# KiCad board poly_kb_molecule_16x5.kicad_pcb (continued)
## Routing (per net, layer and track width the routed paths; a pad name or vN(x,y) marks a point on that pad's centre or on a via; arc(x,y) is an arc through that point) (continued)
Net-(C4-Pad1): length 338.2
  Bottom w0.254: 241.69,87.76 241.69,88.31 242.19,88.8 242.19,90.24 241.38,91.05 J1#61.15 ; 203.59,49.66 203.59,50.21 204.09,50.7 204.09,52.14 203.28,52.95 J1#64.15 ; J1#55.15 50.88,14.85 51.69,14.04 51.69,12.6 51.19,12.11 51.19,11.56 ; 222.64,49.66 222.64,50.21 223.14,50.7 223.14,52.14 222.32,52.95 J1#40.15 ; J1#72.15 222.32,72 223.14,71.19 223.14,69.75 222.64,69.26 222.64,68.71 ; J1#10.15 203.28,14.85 204.09,14.04 204.09,12.6 203.59,12.11 203.59,11.56 ; 279.79,11.56 279.79,12.11 280.29,12.6 280.29,14.04 279.48,14.85 J1#24.15 ; J1#69.15 50.88,33.9 51.69,33.09 51.69,31.65 51.19,31.16 51.19,30.61 ; 146.44,68.71 146.44,69.26 146.94,69.75 146.94,71.19 146.12,72 J1#28.15 ; 108.34,68.71 108.34,69.26 108.84,69.75 108.84,71.19 108.03,72 J1#33.15 ; 298.84,30.61 298.84,31.16 299.34,31.65 299.34,33.09 298.52,33.9 J1#49.15 ; J1#19.15 184.22,33.9 185.04,33.09 185.04,31.65 184.54,31.16 184.54,30.61 ; J1#32.15 260.43,33.9 261.24,33.09 261.24,31.65 260.74,31.16 260.74,30.61 ; 89.29,68.71 89.29,69.26 89.79,69.75 89.79,71.19 88.97,72 J1#71.15 ; J1#30.15 165.18,72 165.99,71.19 165.99,69.75 165.49,69.26 165.49,68.71 ; 203.59,68.71 203.59,69.26 204.09,69.75 204.09,71.19 203.28,72 J1#14.15 ; J1#66.15 260.43,52.95 261.24,52.14 261.24,50.7 260.74,50.21 260.74,49.66 ; 298.84,68.71 298.84,69.26 299.34,69.75 299.34,71.19 298.52,72 J1#52.15 ; J1#35.15 69.92,91.05 70.74,90.24 70.74,88.8 70.24,88.31 70.24,87.76 ; J1#29.15 279.48,91.05 280.29,90.24 280.29,88.8 279.79,88.31 279.79,87.76 ; J1#27.15 165.18,52.95 165.99,52.14 165.99,50.7 165.49,50.21 165.49,49.66 ; J1.15 12.77,91.05 13.59,90.24 13.59,88.8 13.09,88.31 13.09,87.76 ; J1#63.15 146.12,91.05 146.94,90.24 146.94,88.8 146.44,88.31 146.44,87.76 ; J1#60.15 241.38,33.9 242.19,33.09 242.19,31.65 241.69,31.16 241.69,30.61 ; J1#20.15 31.83,14.85 32.64,14.04 32.64,12.6 32.14,12.11 32.14,11.56 ; 89.29,87.76 89.29,88.31 89.79,88.8 89.79,90.24 88.97,91.05 J1#22.15 ; 127.39,30.61 127.39,31.16 127.89,31.65 127.89,33.09 127.07,33.9 J1#6.15 ; J1#5.15 50.88,72 51.69,71.19 51.69,69.75 51.19,69.26 51.19,68.71 ; J1#70.15 69.92,52.95 70.74,52.14 70.74,50.7 70.24,50.21 70.24,49.66 ; 260.74,11.56 260.74,12.11 261.24,12.6 261.24,14.04 260.43,14.85 J1#46.15 ; J1#76.15 108.03,91.05 108.84,90.24 108.84,88.8 108.34,88.31 108.34,87.76 ; 32.14,30.61 32.14,31.16 32.64,31.65 32.64,33.09 31.83,33.9 J1#3.15 ; 127.39,11.56 127.39,12.11 127.89,12.6 127.89,14.04 127.07,14.85 J1#11.15 ; 146.44,30.61 146.44,31.16 146.94,31.65 146.94,33.09 146.12,33.9 J1#56.15 ; 89.29,11.56 89.29,12.11 89.79,12.6 89.79,14.04 88.97,14.85 J1#51.15 ; J1#74.15 88.97,33.9 89.79,33.09 89.79,31.65 89.29,31.16 89.29,30.61 ; J1#8.15 108.03,52.95 108.84,52.14 108.84,50.7 108.34,50.21 108.34,49.66 ; J1#25.15 165.18,91.05 165.99,90.24 165.99,88.8 165.49,88.31 165.49,87.76 ; J1#13.15 50.88,91.05 51.69,90.24 51.69,88.8 51.19,88.31 51.19,87.76 ; J1#7.15 12.77,33.9 13.59,33.09 13.59,31.65 13.09,31.16 13.09,30.61 ; J1#77.15 12.77,72 13.59,71.19 13.59,69.75 13.09,69.26 13.09,68.71 ; 260.74,87.76 260.74,88.31 261.24,88.8 261.24,90.24 260.43,91.05 J1#54.15 ; J1#38.15 88.97,52.95 89.79,52.14 89.79,50.7 89.29,50.21 89.29,49.66 ; 108.34,11.56 108.34,12.11 108.84,12.6 108.84,14.04 108.03,14.85 J1#59.15 ; 298.84,49.66 298.84,50.21 299.34,50.7 299.34,52.14 298.52,52.95 J1#45.15 ; J1#68.15 165.18,14.85 165.99,14.04 165.99,12.6 165.49,12.11 165.49,11.56 ; 70.24,11.56 70.24,12.11 70.74,12.6 70.74,14.04 69.92,14.85 J1#57.15 ; 127.39,49.66 127.39,50.21 127.89,50.7 127.89,52.14 127.07,52.95 J1#36.15 ; J1#80.15 108.03,33.9 108.84,33.09 108.84,31.65 108.34,31.16 108.34,30.61 ; 13.09,11.56 13.09,12.11 13.59,12.6 13.59,14.04 12.77,14.85 J1#41.15 ; J1#65.15 69.92,72 70.74,71.19 70.74,69.75 70.24,69.26 70.24,68.71 ; J1#48.15 241.38,52.95 242.19,52.14 242.19,50.7 241.69,50.21 241.69,49.66 ; J1#26.15 203.28,33.9 204.09,33.09 204.09,31.65 203.59,31.16 203.59,30.61 ; 222.64,11.56 222.64,12.11 223.14,12.6 223.14,14.04 222.32,14.85 J1#21.15 ; J1#31.15 203.28,91.05 204.09,90.24 204.09,88.8 203.59,88.31 203.59,87.76 ; 127.39,68.71 127.39,69.26 127.89,69.75 127.89,71.19 127.07,72 J1#37.15 ; J1#79.15 298.52,91.05 299.34,90.24 299.34,88.8 298.84,88.31 298.84,87.76 ; 146.44,11.56 146.44,12.11 146.94,12.6 146.94,14.04 146.12,14.85 J1#23.15 ; 165.49,30.61 165.49,31.16 165.99,31.65 165.99,33.09 165.18,33.9 J1#16.15 ; J1#67.15 184.22,52.95 185.04,52.14 185.04,50.7 184.54,50.21 184.54,49.66 ; 32.14,68.71 32.14,69.26 32.64,69.75 32.64,71.19 31.83,72 J1#58.15 ; J1#2.15 279.48,33.9 280.29,33.09 280.29,31.65 279.79,31.16 279.79,30.61 ; J1#43.15 31.83,52.95 32.64,52.14 32.64,50.7 32.14,50.21 32.14,49.66 ; J1#34.15 279.48,72 280.29,71.19 280.29,69.75 279.79,69.26 279.79,68.71 ; 241.69,68.71 241.69,69.26 242.19,69.75 242.19,71.19 241.38,72 J1#39.15 ; 32.14,87.76 32.14,88.31 32.64,88.8 32.64,90.24 31.83,91.05 J1#47.15 ; J1#78.15 279.48,52.95 280.29,52.14 280.29,50.7 279.79,50.21 279.79,49.66 ; J1#53.15 127.07,91.05 127.89,90.24 127.89,88.8 127.39,88.31 127.39,87.76 ; J1#75.15 222.32,91.05 223.14,90.24 223.14,88.8 222.64,88.31 222.64,87.76 ; 298.84,11.56 298.84,12.11 299.34,12.6 299.34,14.04 298.52,14.85 J1#44.15 ; J1#18.15 184.22,91.05 185.04,90.24 185.04,88.8 184.54,88.31 184.54,87.76 ; J1#42.15 184.22,14.85 185.04,14.04 185.04,12.6 184.54,12.11 184.54,11.56 ; 51.19,49.66 51.19,50.21 51.69,50.7 51.69,52.14 50.88,52.95 J1#17.15 ; J1#73.15 241.38,14.85 242.19,14.04 242.19,12.6 241.69,12.11 241.69,11.56 ; J1#9.15 260.43,72 261.24,71.19 261.24,69.75 260.74,69.26 260.74,68.71 ; J1#12.15 12.77,52.95 13.59,52.14 13.59,50.7 13.09,50.21 13.09,49.66 ; 146.44,49.66 146.44,50.21 146.94,50.7 146.94,52.14 146.12,52.95 J1#15.15 ; 184.54,68.71 184.54,69.26 185.04,69.75 185.04,71.19 184.22,72 J1#62.15 ; 222.64,30.61 222.64,31.16 223.14,31.65 223.14,33.09 222.32,33.9 J1#50.15 ; 70.24,30.61 70.24,31.16 70.74,31.65 70.74,33.09 69.92,33.9 J1#4.15
Net-(C5-Pad1): length 241.4
  Bottom w0.254: J1#61.4 235.88,90.75 235.3,90.18 235.3,89.49 C5#10.1 ; C5#79.1 140.05,32.34 140.05,33.03 140.62,33.6 J1#56.4 ; C5#42.1 197.2,13.29 197.2,13.98 197.78,14.55 J1#10.4 ; C5#32.1 25.75,70.44 25.75,71.13 26.32,71.7 J1#58.4 ; J1#74.4 83.47,33.6 82.9,33.03 82.9,32.34 C5#76.1 ; J1#22.4 83.47,90.75 82.9,90.18 82.9,89.49 C5#9.1 ; J1#32.4 254.93,33.6 254.35,33.03 254.35,32.34 C5#37.1 ; C5#65.1 25.75,51.39 25.75,52.08 26.32,52.65 J1#43.4 ; C5#5.1 25.75,13.29 25.75,13.98 26.32,14.55 J1#20.4 ; C5#11.1 235.3,13.29 235.3,13.98 235.88,14.55 J1#73.4 ; J1#4.4 64.42,33.6 63.85,33.03 63.85,32.34 C5#6.1 ; C5#52.1 140.05,70.44 140.05,71.13 140.62,71.7 J1#28.4 ; J1#2.4 273.98,33.6 273.4,33.03 273.4,32.34 C5#53.1 ; C5#46.1 216.25,13.29 216.25,13.98 216.82,14.55 J1#21.4 ; C5#23.1 254.35,70.44 254.35,71.13 254.93,71.7 J1#9.4 ; J1#30.4 159.68,71.7 159.1,71.13 159.1,70.44 C5#43.1 ; J1#23.4 140.62,14.55 140.05,13.98 140.05,13.29 C5#34.1 ; C5#39.1 6.7,51.39 6.7,52.08 7.27,52.65 J1#12.4 ; C5#61.1 101.95,13.29 101.95,13.98 102.53,14.55 J1#59.4 ; J1#75.4 216.82,90.75 216.25,90.18 216.25,89.49 C5#38.1 ; C5#77.1 44.8,32.34 44.8,33.03 45.38,33.6 J1#69.4 ; C5#47.1 121,13.29 121,13.98 121.57,14.55 J1#11.4 ; C5#28.1 82.9,51.39 82.9,52.08 83.47,52.65 J1#38.4 ; C5#13.1 44.8,70.44 44.8,71.13 45.38,71.7 J1#5.4 ; C5#80.1 273.4,51.39 273.4,52.08 273.98,52.65 J1#78.4 ; J1#8.4 102.53,52.65 101.95,52.08 101.95,51.39 C5#21.1 ; C5#26.1 44.8,89.49 44.8,90.18 45.38,90.75 J1#13.4 ; J1#76.4 102.53,90.75 101.95,90.18 101.95,89.49 C5#24.1 ; C5#62.1 235.3,32.34 235.3,33.03 235.88,33.6 J1#60.4 ; C5#31.1 159.1,51.39 159.1,52.08 159.68,52.65 J1#27.4 ; J1#29.4 273.98,90.75 273.4,90.18 273.4,89.49 C5#67.1 ; C5#68.1 216.25,51.39 216.25,52.08 216.82,52.65 J1#40.4 ; J1#51.4 83.47,14.55 82.9,13.98 82.9,13.29 C5#44.1 ; C5#29.1 63.85,13.29 63.85,13.98 64.42,14.55 J1#57.4 ; J1#45.4 293.02,52.65 292.45,52.08 292.45,51.39 C5#41.1 ; C5#69.1 197.2,51.39 197.2,52.08 197.78,52.65 J1#64.4 ; C5#4.1 25.75,89.49 25.75,90.18 26.32,90.75 J1#47.4 ; J1#49.4 293.02,33.6 292.45,33.03 292.45,32.34 C5#50.1 ; J1#48.4 235.88,52.65 235.3,52.08 235.3,51.39 C5#45.1 ; C5#30.1 197.2,32.34 197.2,33.03 197.78,33.6 J1#26.4 ; J1#67.4 178.72,52.65 178.15,52.08 178.15,51.39 C5#7.1 ; J1#79.4 293.02,90.75 292.45,90.18 292.45,89.49 C5#63.1 ; J1#6.4 121.57,33.6 121,33.03 121,32.34 C5#73.1 ; J1#18.4 178.72,90.75 178.15,90.18 178.15,89.49 C5#33.1 ; C5.1 6.7,89.49 6.7,90.18 7.27,90.75 J1.4 ; J1#42.4 178.72,14.55 178.15,13.98 178.15,13.29 C5#78.1 ; J1#66.4 254.93,52.65 254.35,52.08 254.35,51.39 C5#18.1 ; J1#77.4 7.27,71.7 6.7,71.13 6.7,70.44 C5#25.1 ; J1#35.4 64.42,90.75 63.85,90.18 63.85,89.49 C5#55.1 ; C5#15.1 6.7,13.29 6.7,13.98 7.27,14.55 J1#41.4 ; J1#71.4 83.47,71.7 82.9,71.13 82.9,70.44 C5#35.1 ; C5#14.1 159.1,89.49 159.1,90.18 159.68,90.75 J1#25.4 ; C5#74.1 254.35,13.29 254.35,13.98 254.93,14.55 J1#46.4 ; C5#17.1 101.95,70.44 101.95,71.13 102.53,71.7 J1#33.4 ; J1#68.4 159.68,14.55 159.1,13.98 159.1,13.29 C5#71.1 ; J1#15.4 140.62,52.65 140.05,52.08 140.05,51.39 C5#19.1 ; C5#70.1 216.25,32.34 216.25,33.03 216.82,33.6 J1#50.4 ; C5#56.1 235.3,70.44 235.3,71.13 235.88,71.7 J1#39.4 ; J1#16.4 159.68,33.6 159.1,33.03 159.1,32.34 C5#27.1 ; J1#65.4 64.42,71.7 63.85,71.13 63.85,70.44 C5#2.1 ; J1#72.4 216.82,71.7 216.25,71.13 216.25,70.44 C5#51.1 ; J1#19.4 178.72,33.6 178.15,33.03 178.15,32.34 C5#8.1 ; J1#3.4 26.32,33.6 25.75,33.03 25.75,32.34 C5#57.1 ; C5#3.1 254.35,89.49 254.35,90.18 254.93,90.75 J1#54.4 ; C5#59.1 273.4,70.44 273.4,71.13 273.98,71.7 J1#34.4 ; C5#75.1 121,89.49 121,90.18 121.57,90.75 J1#53.4 ; J1#7.4 7.27,33.6 6.7,33.03 6.7,32.34 C5#20.1 ; J1#80.4 102.53,33.6 101.95,33.03 101.95,32.34 C5#54.1 ; J1#70.4 64.42,52.65 63.85,52.08 63.85,51.39 C5#66.1 ; J1#17.4 45.38,52.65 44.8,52.08 44.8,51.39 C5#72.1 ; J1#24.4 273.98,14.55 273.4,13.98 273.4,13.29 C5#12.1 ; J1#55.4 45.38,14.55 44.8,13.98 44.8,13.29 C5#49.1 ; C5#22.1 140.05,89.49 140.05,90.18 140.62,90.75 J1#63.4 ; C5#40.1 178.15,70.44 178.15,71.13 178.72,71.7 J1#62.4 ; J1#31.4 197.78,90.75 197.2,90.18 197.2,89.49 C5#16.1 ; J1#44.4 293.02,14.55 292.45,13.98 292.45,13.29 C5#64.1 ; C5#48.1 197.2,70.44 197.2,71.13 197.78,71.7 J1#14.4 ; J1#52.4 293.02,71.7 292.45,71.13 292.45,70.44 C5#60.1 ; C5#58.1 121,70.44 121,71.13 121.57,71.7 J1#37.4 ; J1#36.4 121.57,52.65 121,52.08 121,51.39 C5#36.1
Net-(C5-Pad2): length 142.1
  Bottom w0.254: C5#12.2 273.99,13.85 274.48,14.33 J1#24.5 ; J1#45.5 293.52,52.43 293.04,51.95 C5#41.2 ; J1#31.5 198.28,90.53 197.79,90.05 C5#16.2 ; C5#77.2 45.39,32.9 45.88,33.38 J1#69.5 ; C5#14.2 159.69,90.05 160.18,90.53 J1#25.5 ; C5#42.2 197.79,13.85 198.28,14.33 J1#10.5 ; J1#59.5 103.03,14.33 102.54,13.85 C5#61.2 ; J1#56.5 141.12,33.38 140.64,32.9 C5#79.2 ; J1#47.5 26.82,90.53 26.34,90.05 C5#4.2 ; J1#32.5 255.43,33.38 254.94,32.9 C5#37.2 ; C5#9.2 83.49,90.05 83.97,90.53 J1#22.5 ; J1#80.5 103.03,33.38 102.54,32.9 C5#54.2 ; C5#25.2 7.29,71 7.77,71.48 J1#77.5 ; C5#70.2 216.84,32.9 217.32,33.38 J1#50.5 ; J1#16.5 160.18,33.38 159.69,32.9 C5#27.2 ; C5#35.2 83.49,71 83.97,71.48 J1#71.5 ; C5#46.2 216.84,13.85 217.32,14.33 J1#21.5 ; C5#55.2 64.44,90.05 64.92,90.53 J1#35.5 ; C5#52.2 140.64,71 141.12,71.48 J1#28.5 ; C5#75.2 121.59,90.05 122.07,90.53 J1#53.5 ; C5#17.2 102.54,71 103.03,71.48 J1#33.5 ; C5#11.2 235.89,13.85 236.38,14.33 J1#73.5 ; J1#23.5 141.12,14.33 140.64,13.85 C5#34.2 ; J1#58.5 26.82,71.48 26.34,71 C5#32.2 ; C5.2 7.29,90.05 7.77,90.53 J1.5 ; J1#60.5 236.38,33.38 235.89,32.9 C5#62.2 ; C5#64.2 293.04,13.85 293.52,14.33 J1#44.5 ; C5#24.2 102.54,90.05 103.03,90.53 J1#76.5 ; C5#74.2 254.94,13.85 255.43,14.33 J1#46.5 ; J1#2.5 274.48,33.38 273.99,32.9 C5#53.2 ; J1#67.5 179.22,52.43 178.74,51.95 C5#7.2 ; C5#72.2 45.39,51.95 45.88,52.43 J1#17.5 ; J1#13.5 45.88,90.53 45.39,90.05 C5#26.2 ; C5#60.2 293.04,71 293.52,71.48 J1#52.5 ; C5#49.2 45.39,13.85 45.88,14.33 J1#55.5 ; C5#48.2 197.79,71 198.28,71.48 J1#14.5 ; C5#23.2 254.94,71 255.43,71.48 J1#9.5 ; C5#50.2 293.04,32.9 293.52,33.38 J1#49.5 ; J1#54.5 255.43,90.53 254.94,90.05 C5#3.2 ; C5#15.2 7.29,13.85 7.77,14.33 J1#41.5 ; C5#47.2 121.59,13.85 122.07,14.33 J1#11.5 ; J1#5.5 45.88,71.48 45.39,71 C5#13.2 ; J1#30.5 160.18,71.48 159.69,71 C5#43.2 ; J1#78.5 274.48,52.43 273.99,51.95 C5#80.2 ; J1#40.5 217.32,52.43 216.84,51.95 C5#68.2 ; J1#15.5 141.12,52.43 140.64,51.95 C5#19.2 ; J1#48.5 236.38,52.43 235.89,51.95 C5#45.2 ; J1#34.5 274.48,71.48 273.99,71 C5#59.2 ; C5#21.2 102.54,51.95 103.03,52.43 J1#8.5 ; C5#6.2 64.44,32.9 64.92,33.38 J1#4.5 ; J1#79.5 293.52,90.53 293.04,90.05 C5#63.2 ; J1#37.5 122.07,71.48 121.59,71 C5#58.2 ; J1#26.5 198.28,33.38 197.79,32.9 C5#30.2 ; C5#65.2 26.34,51.95 26.82,52.43 J1#43.5 ; J1#12.5 7.77,52.43 7.29,51.95 C5#39.2 ; J1#75.5 217.32,90.53 216.84,90.05 C5#38.2 ; J1#7.5 7.77,33.38 7.29,32.9 C5#20.2 ; J1#3.5 26.82,33.38 26.34,32.9 C5#57.2 ; J1#66.5 255.43,52.43 254.94,51.95 C5#18.2 ; J1#64.5 198.28,52.43 197.79,51.95 C5#69.2 ; C5#36.2 121.59,51.95 122.07,52.43 J1#36.5 ; J1#70.5 64.92,52.43 64.44,51.95 C5#66.2 ; C5#44.2 83.49,13.85 83.97,14.33 J1#51.5 ; J1#6.5 122.07,33.38 121.59,32.9 C5#73.2 ; C5#67.2 273.99,90.05 274.48,90.53 J1#29.5 ; C5#2.2 64.44,71 64.92,71.48 J1#65.5 ; C5#22.2 140.64,90.05 141.12,90.53 J1#63.5 ; J1#61.5 236.38,90.53 235.89,90.05 C5#10.2 ; J1#57.5 64.92,14.33 64.44,13.85 C5#29.2 ; C5#8.2 178.74,32.9 179.22,33.38 J1#19.5 ; J1#38.5 83.97,52.43 83.49,51.95 C5#28.2 ; C5#40.2 178.74,71 179.22,71.48 J1#62.5 ; C5#56.2 235.89,71 236.38,71.48 J1#39.5 ; C5#76.2 83.49,32.9 83.97,33.38 J1#74.5 ; J1#27.5 160.18,52.43 159.69,51.95 C5#31.2 ; J1#68.5 160.18,14.33 159.69,13.85 C5#71.2 ; J1#42.5 179.22,14.33 178.74,13.85 C5#78.2 ; J1#18.5 179.22,90.53 178.74,90.05 C5#33.2 ; J1#72.5 217.32,71.48 216.84,71 C5#51.2 ; J1#20.5 26.82,14.33 26.34,13.85 C5#5.2
Net-(C6-Pad1): length 290.9
  Bottom w0.254: C6#73.1 236.53,69.11 236.53,70.97 236.84,71.28 236.84,72.35 J1#39.6 ; J1#32.6 255.89,34.25 255.89,33.18 255.58,32.87 255.58,31.01 C6#17.1 ; J1#63.6 141.59,91.4 141.59,90.33 141.28,90.02 141.28,88.16 C6#44.1 ; J1#47.6 27.29,91.4 27.29,90.33 26.98,90.02 26.98,88.16 C6#11.1 ; C6#66.1 293.68,31.01 293.68,32.87 293.99,33.18 293.99,34.25 J1#49.6 ; J1#76.6 103.49,91.4 103.49,90.33 103.18,90.02 103.18,88.16 C6#15.1 ; J1#10.6 198.74,15.2 198.74,14.13 198.43,13.82 198.43,11.96 C6#78.1 ; C6#55.1 46.03,69.11 46.03,70.97 46.34,71.28 46.34,72.35 J1#5.6 ; C6#34.1 160.33,88.16 160.33,90.02 160.64,90.33 160.64,91.4 J1#25.6 ; J1#15.6 141.59,53.3 141.59,52.23 141.28,51.92 141.28,50.06 C6#9.1 ; C6#72.1 293.68,88.16 293.68,90.02 293.99,90.33 293.99,91.4 J1#79.6 ; C6#6.1 217.48,11.96 217.48,13.82 217.79,14.13 217.79,15.2 J1#21.6 ; C6#50.1 122.23,50.06 122.23,51.92 122.54,52.23 122.54,53.3 J1#36.6 ; C6#41.1 274.63,50.06 274.63,51.92 274.94,52.23 274.94,53.3 J1#78.6 ; J1#46.6 255.89,15.2 255.89,14.13 255.58,13.82 255.58,11.96 C6#10.1 ; C6#20.1 274.63,88.16 274.63,90.02 274.94,90.33 274.94,91.4 J1#29.6 ; J1#35.6 65.39,91.4 65.39,90.33 65.08,90.02 65.08,88.16 C6#61.1 ; C6#29.1 198.43,31.01 198.43,32.87 198.74,33.18 198.74,34.25 J1#26.6 ; J1#40.6 217.79,53.3 217.79,52.23 217.48,51.92 217.48,50.06 C6#70.1 ; J1#41.6 8.24,15.2 8.24,14.13 7.93,13.82 7.93,11.96 C6#24.1 ; J1#27.6 160.64,53.3 160.64,52.23 160.33,51.92 160.33,50.06 C6#18.1 ; C6#74.1 65.08,11.96 65.08,13.82 65.39,14.13 65.39,15.2 J1#57.6 ; J1#28.6 141.59,72.35 141.59,71.28 141.28,70.97 141.28,69.11 C6#76.1 ; J1#37.6 122.54,72.35 122.54,71.28 122.23,70.97 122.23,69.11 C6#31.1 ; J1#20.6 27.29,15.2 27.29,14.13 26.98,13.82 26.98,11.96 C6#45.1 ; J1#65.6 65.39,72.35 65.39,71.28 65.08,70.97 65.08,69.11 C6#54.1 ; C6#5.1 274.63,11.96 274.63,13.82 274.94,14.13 274.94,15.2 J1#24.6 ; C6#49.1 122.23,11.96 122.23,13.82 122.54,14.13 122.54,15.2 J1#11.6 ; C6#14.1 103.18,69.11 103.18,70.97 103.49,71.28 103.49,72.35 J1#33.6 ; C6#4.1 46.03,88.16 46.03,90.02 46.34,90.33 46.34,91.4 J1#13.6 ; J1#14.6 198.74,72.35 198.74,71.28 198.43,70.97 198.43,69.11 C6#51.1 ; C6#30.1 160.33,31.01 160.33,32.87 160.64,33.18 160.64,34.25 J1#16.6 ; J1#62.6 179.69,72.35 179.69,71.28 179.38,70.97 179.38,69.11 C6#35.1 ; J1#60.6 236.84,34.25 236.84,33.18 236.53,32.87 236.53,31.01 C6#69.1 ; J1#71.6 84.44,72.35 84.44,71.28 84.13,70.97 84.13,69.11 C6#40.1 ; J1#43.6 27.29,53.3 27.29,52.23 26.98,51.92 26.98,50.06 C6#75.1 ; C6#13.1 293.68,69.11 293.68,70.97 293.99,71.28 293.99,72.35 J1#52.6 ; C6#28.1 179.38,11.96 179.38,13.82 179.69,14.13 179.69,15.2 J1#42.6 ; C6#52.1 122.23,88.16 122.23,90.02 122.54,90.33 122.54,91.4 J1#53.6 ; C6#59.1 293.68,50.06 293.68,51.92 293.99,52.23 293.99,53.3 J1#45.6 ; C6#58.1 84.13,31.01 84.13,32.87 84.44,33.18 84.44,34.25 J1#74.6 ; J1#68.6 160.64,15.2 160.64,14.13 160.33,13.82 160.33,11.96 C6#62.1 ; J1#77.6 8.24,72.35 8.24,71.28 7.93,70.97 7.93,69.11 C6#3.1 ; C6#79.1 198.43,50.06 198.43,51.92 198.74,52.23 198.74,53.3 J1#64.6 ; J1#19.6 179.69,34.25 179.69,33.18 179.38,32.87 179.38,31.01 C6#60.1 ; C6#43.1 84.13,50.06 84.13,51.92 84.44,52.23 84.44,53.3 J1#38.6 ; J1#44.6 293.99,15.2 293.99,14.13 293.68,13.82 293.68,11.96 C6#47.1 ; J1#55.6 46.34,15.2 46.34,14.13 46.03,13.82 46.03,11.96 C6#48.1 ; J1#80.6 103.49,34.25 103.49,33.18 103.18,32.87 103.18,31.01 C6#2.1 ; C6#57.1 217.48,88.16 217.48,90.02 217.79,90.33 217.79,91.4 J1#75.6 ; J1.6 8.24,91.4 8.24,90.33 7.93,90.02 7.93,88.16 C6.1 ; J1#50.6 217.79,34.25 217.79,33.18 217.48,32.87 217.48,31.01 C6#16.1 ; C6#33.1 7.93,50.06 7.93,51.92 8.24,52.23 8.24,53.3 J1#12.6 ; C6#64.1 141.28,11.96 141.28,13.82 141.59,14.13 141.59,15.2 J1#23.6 ; C6#23.1 84.13,88.16 84.13,90.02 84.44,90.33 84.44,91.4 J1#22.6 ; C6#22.1 65.08,31.01 65.08,32.87 65.39,33.18 65.39,34.25 J1#4.6 ; C6#42.1 179.38,50.06 179.38,51.92 179.69,52.23 179.69,53.3 J1#67.6 ; C6#36.1 236.53,88.16 236.53,90.02 236.84,90.33 236.84,91.4 J1#61.6 ; J1#6.6 122.54,34.25 122.54,33.18 122.23,32.87 122.23,31.01 C6#39.1 ; J1#30.6 160.64,72.35 160.64,71.28 160.33,70.97 160.33,69.11 C6#77.1 ; C6#7.1 274.63,69.11 274.63,70.97 274.94,71.28 274.94,72.35 J1#34.6 ; C6#67.1 236.53,50.06 236.53,51.92 236.84,52.23 236.84,53.3 J1#48.6 ; C6#63.1 141.28,31.01 141.28,32.87 141.59,33.18 141.59,34.25 J1#56.6 ; J1#58.6 27.29,72.35 27.29,71.28 26.98,70.97 26.98,69.11 C6#46.1 ; J1#69.6 46.34,34.25 46.34,33.18 46.03,32.87 46.03,31.01 C6#27.1 ; C6#32.1 7.93,31.01 7.93,32.87 8.24,33.18 8.24,34.25 J1#7.6 ; J1#59.6 103.49,15.2 103.49,14.13 103.18,13.82 103.18,11.96 C6#56.1 ; C6#71.1 26.98,31.01 26.98,32.87 27.29,33.18 27.29,34.25 J1#3.6 ; C6#19.1 198.43,88.16 198.43,90.02 198.74,90.33 198.74,91.4 J1#31.6 ; J1#18.6 179.69,91.4 179.69,90.33 179.38,90.02 179.38,88.16 C6#68.1 ; C6#26.1 103.18,50.06 103.18,51.92 103.49,52.23 103.49,53.3 J1#8.6 ; J1#72.6 217.79,72.35 217.79,71.28 217.48,70.97 217.48,69.11 C6#21.1 ; C6#38.1 65.08,50.06 65.08,51.92 65.39,52.23 65.39,53.3 J1#70.6 ; J1#9.6 255.89,72.35 255.89,71.28 255.58,70.97 255.58,69.11 C6#53.1 ; J1#51.6 84.44,15.2 84.44,14.13 84.13,13.82 84.13,11.96 C6#65.1 ; J1#73.6 236.84,15.2 236.84,14.13 236.53,13.82 236.53,11.96 C6#80.1 ; C6#25.1 274.63,31.01 274.63,32.87 274.94,33.18 274.94,34.25 J1#2.6 ; C6#12.1 46.03,50.06 46.03,51.92 46.34,52.23 46.34,53.3 J1#17.6 ; J1#66.6 255.89,53.3 255.89,52.23 255.58,51.92 255.58,50.06 C6#37.1 ; C6#8.1 255.58,88.16 255.58,90.02 255.89,90.33 255.89,91.4 J1#54.6
Net-(C6-Pad2): length 301.6
  Bottom w0.254: J1#35.7 65.92,90.02 65.49,89.59 65.49,88.4 C6#61.2 ; C6#38.2 65.49,50.3 65.49,51.49 65.92,51.92 J1#70.7 ; J1#42.7 180.22,13.82 179.79,13.39 179.79,12.2 C6#28.2 ; C6.2 8.34,88.4 8.34,89.59 8.77,90.02 J1.7 ; C6#54.2 65.49,69.35 65.49,70.54 65.92,70.97 J1#65.7 ; C6#80.2 236.94,12.2 236.94,13.39 237.38,13.82 J1#73.7 ; C6#50.2 122.64,50.3 122.64,51.49 123.07,51.92 J1#36.7 ; J1#25.7 161.18,90.02 160.74,89.59 160.74,88.4 C6#34.2 ; J1#57.7 65.92,13.82 65.49,13.39 65.49,12.2 C6#74.2 ; C6#72.2 294.09,88.4 294.09,89.59 294.52,90.02 J1#79.7 ; C6#52.2 122.64,88.4 122.64,89.59 123.07,90.02 J1#53.7 ; C6#19.2 198.84,88.4 198.84,89.59 199.28,90.02 J1#31.7 ; C6#30.2 160.74,31.25 160.74,32.44 161.18,32.87 J1#16.7 ; J1#59.7 104.03,13.82 103.59,13.39 103.59,12.2 C6#56.2 ; C6#20.2 275.04,88.4 275.04,89.59 275.48,90.02 J1#29.7 ; J1#38.7 84.97,51.92 84.54,51.49 84.54,50.3 C6#43.2 ; J1#23.7 142.12,13.82 141.69,13.39 141.69,12.2 C6#64.2 ; C6#58.2 84.54,31.25 84.54,32.44 84.97,32.87 J1#74.7 ; J1#49.7 294.52,32.87 294.09,32.44 294.09,31.25 C6#66.2 ; C6#4.2 46.44,88.4 46.44,89.59 46.88,90.02 J1#13.7 ; J1#44.7 294.52,13.82 294.09,13.39 294.09,12.2 C6#47.2 ; C6#67.2 236.94,50.3 236.94,51.49 237.38,51.92 J1#48.7 ; J1#43.7 27.83,51.92 27.39,51.49 27.39,50.3 C6#75.2 ; C6#60.2 179.79,31.25 179.79,32.44 180.22,32.87 J1#19.7 ; C6#17.2 255.99,31.25 255.99,32.44 256.43,32.87 J1#32.7 ; J1#64.7 199.28,51.92 198.84,51.49 198.84,50.3 C6#79.2 ; C6#7.2 275.04,69.35 275.04,70.54 275.48,70.97 J1#34.7 ; J1#77.7 8.77,70.97 8.34,70.54 8.34,69.35 C6#3.2 ; J1#52.7 294.52,70.97 294.09,70.54 294.09,69.35 C6#13.2 ; J1#9.7 256.43,70.97 255.99,70.54 255.99,69.35 C6#53.2 ; J1#47.7 27.83,90.02 27.39,89.59 27.39,88.4 C6#11.2 ; C6#21.2 217.89,69.35 217.89,70.54 218.32,70.97 J1#72.7 ; C6#44.2 141.69,88.4 141.69,89.59 142.12,90.02 J1#63.7 ; J1#80.7 104.03,32.87 103.59,32.44 103.59,31.25 C6#2.2 ; C6#24.2 8.34,12.2 8.34,13.39 8.77,13.82 J1#41.7 ; J1#68.7 161.18,13.82 160.74,13.39 160.74,12.2 C6#62.2 ; C6#35.2 179.79,69.35 179.79,70.54 180.22,70.97 J1#62.7 ; C6#41.2 275.04,50.3 275.04,51.49 275.48,51.92 J1#78.7 ; J1#45.7 294.52,51.92 294.09,51.49 294.09,50.3 C6#59.2 ; C6#12.2 46.44,50.3 46.44,51.49 46.88,51.92 J1#17.7 ; C6#32.2 8.34,31.25 8.34,32.44 8.77,32.87 J1#7.7 ; C6#6.2 217.89,12.2 217.89,13.39 218.32,13.82 J1#21.7 ; J1#51.7 84.97,13.82 84.54,13.39 84.54,12.2 C6#65.2 ; J1#75.7 218.32,90.02 217.89,89.59 217.89,88.4 C6#57.2 ; C6#27.2 46.44,31.25 46.44,32.44 46.88,32.87 J1#69.7 ; C6#36.2 236.94,88.4 236.94,89.59 237.38,90.02 J1#61.7 ; J1#5.7 46.88,70.97 46.44,70.54 46.44,69.35 C6#55.2 ; C6#25.2 275.04,31.25 275.04,32.44 275.48,32.87 J1#2.7 ; C6#26.2 103.59,50.3 103.59,51.49 104.03,51.92 J1#8.7 ; C6#51.2 198.84,69.35 198.84,70.54 199.28,70.97 J1#14.7 ; C6#68.2 179.79,88.4 179.79,89.59 180.22,90.02 J1#18.7 ; J1#26.7 199.28,32.87 198.84,32.44 198.84,31.25 C6#29.2 ; J1#46.7 256.43,13.82 255.99,13.39 255.99,12.2 C6#10.2 ; C6#78.2 198.84,12.2 198.84,13.39 199.28,13.82 J1#10.7 ; J1#66.7 256.43,51.92 255.99,51.49 255.99,50.3 C6#37.2 ; J1#56.7 142.12,32.87 141.69,32.44 141.69,31.25 C6#63.2 ; J1#22.7 84.97,90.02 84.54,89.59 84.54,88.4 C6#23.2 ; C6#40.2 84.54,69.35 84.54,70.54 84.97,70.97 J1#71.7 ; J1#30.7 161.18,70.97 160.74,70.54 160.74,69.35 C6#77.2 ; J1#76.7 104.03,90.02 103.59,89.59 103.59,88.4 C6#15.2 ; C6#31.2 122.64,69.35 122.64,70.54 123.07,70.97 J1#37.7 ; J1#58.7 27.83,70.97 27.39,70.54 27.39,69.35 C6#46.2 ; J1#12.7 8.77,51.92 8.34,51.49 8.34,50.3 C6#33.2 ; C6#48.2 46.44,12.2 46.44,13.39 46.88,13.82 J1#55.7 ; C6#39.2 122.64,31.25 122.64,32.44 123.07,32.87 J1#6.7 ; J1#54.7 256.43,90.02 255.99,89.59 255.99,88.4 C6#8.2 ; J1#60.7 237.38,32.87 236.94,32.44 236.94,31.25 C6#69.2 ; J1#4.7 65.92,32.87 65.49,32.44 65.49,31.25 C6#22.2 ; C6#76.2 141.69,69.35 141.69,70.54 142.12,70.97 J1#28.7 ; J1#11.7 123.07,13.82 122.64,13.39 122.64,12.2 C6#49.2 ; J1#39.7 237.38,70.97 236.94,70.54 236.94,69.35 C6#73.2 ; J1#27.7 161.18,51.92 160.74,51.49 160.74,50.3 C6#18.2 ; C6#9.2 141.69,50.3 141.69,51.49 142.12,51.92 J1#15.7 ; C6#42.2 179.79,50.3 179.79,51.49 180.22,51.92 J1#67.7 ; C6#71.2 27.39,31.25 27.39,32.44 27.83,32.87 J1#3.7 ; J1#24.7 275.48,13.82 275.04,13.39 275.04,12.2 C6#5.2 ; C6#70.2 217.89,50.3 217.89,51.49 218.32,51.92 J1#40.7 ; J1#20.7 27.83,13.82 27.39,13.39 27.39,12.2 C6#45.2 ; J1#33.7 104.03,70.97 103.59,70.54 103.59,69.35 C6#14.2 ; C6#16.2 217.89,31.25 217.89,32.44 218.32,32.87 J1#50.7
Net-(D1-Pad2): length 468.2
  Top w0.4: SW1#59.2 292.56,9.7 292.56,7.78 v1(291.95,7.16) ; SW1#31.2 273.51,28.75 273.51,26.83 v1(272.9,26.21) ; v1(291.95,45.26) 292.56,45.88 292.56,47.8 SW1#33.2 ; v1(63.35,83.36) 63.96,83.98 63.96,85.9 SW1#40.2 ; SW1#4.2 216.36,66.85 216.36,64.93 v1(215.75,64.31) ; SW1#21.2 254.46,47.8 254.46,45.88 v1(253.85,45.26) ; v1(120.5,7.16) 121.11,7.78 121.11,9.7 SW1#14.2 ; SW1#49.2 197.31,66.85 197.31,64.93 v1(196.7,64.31) ; v1(101.45,26.21) 102.06,26.83 102.06,28.75 SW1#9.2 ; SW1#71.2 25.86,47.8 25.86,45.88 v1(25.25,45.26) ; SW1#58.2 63.96,9.7 63.96,7.78 v1(63.35,7.16) ; v1(215.75,26.21) 216.36,26.83 216.36,28.75 SW1#37.2 ; SW1#57.2 63.96,66.85 63.96,64.93 v1(63.35,64.31) ; SW1#68.2 140.16,66.85 140.16,64.93 v1(139.55,64.31) ; v1(101.45,83.36) 102.06,83.98 102.06,85.9 SW1#43.2 ; SW1#77.2 159.21,66.85 159.21,64.93 v1(158.6,64.31) ; v1(196.7,7.16) 197.31,7.78 197.31,9.7 SW1#23.2 ; v1(139.55,45.26) 140.16,45.88 140.16,47.8 SW1#56.2 ; SW1#74.2 178.26,9.7 178.26,7.78 v1(177.65,7.16) ; SW1#29.2 102.06,47.8 102.06,45.88 v1(101.45,45.26) ; v1(234.8,64.31) 235.41,64.93 235.41,66.85 SW1#72.2 ; v1(63.35,45.26) 63.96,45.88 63.96,47.8 SW1#35.2 ; SW1#65.2 254.46,85.9 254.46,83.98 v1(253.85,83.36) ; v1(120.5,83.36) 121.11,83.98 121.11,85.9 SW1#27.2 ; v1(253.85,7.16) 254.46,7.78 254.46,9.7 SW1#12.2 ; SW1#66.2 197.31,85.9 197.31,83.98 v1(196.7,83.36) ; SW1#6.2 102.06,9.7 102.06,7.78 v1(101.45,7.16) ; SW1.2 6.81,85.9 6.81,83.98 v1(6.2,83.36) ; SW1#47.2 178.26,28.75 178.26,26.83 v1(177.65,26.21) ; v1(82.4,45.26) 83.01,45.88 83.01,47.8 SW1#3.2 ; SW1#39.2 25.86,66.85 25.86,64.93 v1(25.25,64.31) ; SW1#46.2 83.01,66.85 83.01,64.93 v1(82.4,64.31) ; v1(139.55,83.36) 140.16,83.98 140.16,85.9 SW1#64.2 ; v1(234.8,7.16) 235.41,7.78 235.41,9.7 SW1#13.2 ; v1(120.5,64.31) 121.11,64.93 121.11,66.85 SW1#44.2 ; v1(253.85,64.31) 254.46,64.93 254.46,66.85 SW1#5.2 ; SW1#18.2 235.41,28.75 235.41,26.83 v1(234.8,26.21) ; v1(101.45,64.31) 102.06,64.93 102.06,66.85 SW1#32.2 ; SW1#34.2 6.81,28.75 6.81,26.83 v1(6.2,26.21) ; v1(272.9,64.31) 273.51,64.93 273.51,66.85 SW1#7.2 ; SW1#24.2 273.51,85.9 273.51,83.98 v1(272.9,83.36) ; v1(6.2,64.31) 6.81,64.93 6.81,66.85 SW1#17.2 ; v1(25.25,26.21) 25.86,26.83 25.86,28.75 SW1#28.2 ; SW1#63.2 44.91,66.85 44.91,64.93 v1(44.3,64.31) ; SW1#69.2 25.86,9.7 25.86,7.78 v1(25.25,7.16) ; SW1#78.2 273.51,9.7 273.51,7.78 v1(272.9,7.16) ; v1(177.65,83.36) 178.26,83.98 178.26,85.9 SW1#22.2 ; SW1#60.2 44.91,47.8 44.91,45.88 v1(44.3,45.26) ; SW1#76.2 44.91,85.9 44.91,83.98 v1(44.3,83.36) ; v1(196.7,26.21) 197.31,26.83 197.31,28.75 SW1#11.2 ; v1(253.85,26.21) 254.46,26.83 254.46,28.75 SW1#54.2 ; v1(158.6,45.26) 159.21,45.88 159.21,47.8 SW1#50.2 ; v1(215.75,7.16) 216.36,7.78 216.36,9.7 SW1#52.2 ; v1(44.3,26.21) 44.91,26.83 44.91,28.75 SW1#25.2 ; SW1#16.2 216.36,85.9 216.36,83.98 v1(215.75,83.36) ; v1(234.8,45.26) 235.41,45.88 235.41,47.8 SW1#2.2 ; SW1#75.2 83.01,28.75 83.01,26.83 v1(82.4,26.21) ; v1(272.9,45.26) 273.51,45.88 273.51,47.8 SW1#20.2 ; v1(139.55,7.16) 140.16,7.78 140.16,9.7 SW1#62.2 ; v1(120.5,26.21) 121.11,26.83 121.11,28.75 SW1#19.2 ; v1(139.55,26.21) 140.16,26.83 140.16,28.75 SW1#55.2 ; v1(6.2,7.16) 6.81,7.78 6.81,9.7 SW1#30.2 ; v1(291.95,26.21) 292.56,26.83 292.56,28.75 SW1#53.2 ; SW1#61.2 197.31,47.8 197.31,45.88 v1(196.7,45.26) ; v1(158.6,7.16) 159.21,7.78 159.21,9.7 SW1#15.2 ; SW1#73.2 292.56,85.9 292.56,83.98 v1(291.95,83.36) ; SW1#51.2 292.56,66.85 292.56,64.93 v1(291.95,64.31) ; SW1#8.2 235.41,85.9 235.41,83.98 v1(234.8,83.36) ; v1(63.35,26.21) 63.96,26.83 63.96,28.75 SW1#41.2 ; v1(25.25,83.36) 25.86,83.98 25.86,85.9 SW1#42.2 ; v1(158.6,26.21) 159.21,26.83 159.21,28.75 SW1#79.2 ; v1(120.5,45.26) 121.11,45.88 121.11,47.8 SW1#26.2 ; SW1#38.2 178.26,47.8 178.26,45.88 v1(177.65,45.26) ; v1(44.3,7.16) 44.91,7.78 44.91,9.7 SW1#80.2 ; v1(82.4,83.36) 83.01,83.98 83.01,85.9 SW1#36.2 ; v1(82.4,7.16) 83.01,7.78 83.01,9.7 SW1#48.2 ; v1(6.2,45.26) 6.81,45.88 6.81,47.8 SW1#45.2 ; v1(158.6,83.36) 159.21,83.98 159.21,85.9 SW1#67.2 ; SW1#70.2 216.36,47.8 216.36,45.88 v1(215.75,45.26) ; SW1#10.2 178.26,66.85 178.26,64.93 v1(177.65,64.31)
  Bottom w0.25: 195.62,25.27 195.83,25.27 ; 119.42,44.32 119.63,44.32 ; 214.67,82.42 214.88,82.42 ; 176.57,63.37 176.78,63.37 ; 214.67,44.32 214.88,44.32 ; 157.52,25.27 157.73,25.27 ; 62.27,82.42 62.48,82.42 ; 24.17,63.37 24.38,63.37 ; 100.37,63.37 100.58,63.37 ; 5.12,44.32 5.33,44.32 ; 119.42,25.27 119.63,25.27 ; 24.17,25.27 24.38,25.27 ; 62.27,6.22 62.48,6.22 ; 252.77,82.42 252.98,82.42 ; 81.32,63.37 81.53,63.37 ; 43.22,63.37 43.43,63.37 ; 100.37,44.32 100.58,44.32 ; 100.37,6.22 100.58,6.22 ; 214.67,63.37 214.88,63.37 ; 24.17,6.22 24.38,6.22 ; 157.52,6.22 157.73,6.22 ; 290.87,6.22 291.08,6.22 ; 290.87,82.42 291.08,82.42 ; 43.22,6.22 43.43,6.22 ; 157.52,63.37 157.73,63.37 ; 43.22,25.27 43.43,25.27 ; 81.32,44.32 81.53,44.32 ; 233.72,25.27 233.93,25.27 ; 271.82,44.32 272.03,44.32 ; 271.82,63.37 272.03,63.37 ; 138.47,6.22 138.68,6.22 ; 290.87,63.37 291.08,63.37 ; 176.57,44.32 176.78,44.32 ; 252.77,25.27 252.98,25.27 ; 119.42,6.22 119.63,6.22 ; 24.17,82.42 24.38,82.42 ; 81.32,25.27 81.53,25.27 ; 214.67,25.27 214.88,25.27 ; 195.62,6.22 195.83,6.22 ; 176.57,82.42 176.78,82.42 ; 100.37,82.42 100.58,82.42 ; 157.52,82.42 157.73,82.42 ; 100.37,25.27 100.58,25.27 ; 43.22,44.32 43.43,44.32 ; 62.27,44.32 62.48,44.32 ; 233.72,6.22 233.93,6.22 ; 252.77,63.37 252.98,63.37 ; 176.57,25.27 176.78,25.27 ; 195.62,82.42 195.83,82.42 ; 195.62,44.32 195.83,44.32 ; 138.47,44.32 138.68,44.32 ; 157.52,44.32 157.73,44.32 ; 271.82,82.42 272.03,82.42 ; 81.32,6.22 81.53,6.22 ; 290.87,44.32 291.08,44.32 ; 290.87,25.27 291.08,25.27 ; 5.12,25.27 5.33,25.27 ; 138.47,63.37 138.68,63.37 ; 81.32,82.42 81.53,82.42 ; 5.12,63.37 5.33,63.37 ; 138.47,25.27 138.68,25.27 ; 233.72,44.32 233.93,44.32 ; 176.57,6.22 176.78,6.22 ; 119.42,82.42 119.63,82.42 ; 271.82,25.27 272.03,25.27 ; 62.27,63.37 62.48,63.37 ; 43.22,82.42 43.43,82.42 ; 119.42,63.37 119.63,63.37 ; 5.12,6.22 5.33,6.22 ; 195.62,63.37 195.83,63.37 ; 5.12,82.42 5.33,82.42 ; 24.17,44.32 24.38,44.32 ; 138.47,82.42 138.68,82.42 ; 252.77,44.32 252.98,44.32 ; 271.82,6.22 272.03,6.22 ; 233.72,63.37 233.93,63.37 ; 214.67,6.22 214.88,6.22 ; 233.72,82.42 233.93,82.42 ; 252.77,6.22 252.98,6.22 ; 62.27,25.27 62.48,25.27
  Bottom w0.4: 252.98,25.27 253.85,26.14 v1(253.85,26.21) ; 252.98,82.42 253.85,83.29 v1(253.85,83.36) ; 157.73,63.37 158.6,64.24 v1(158.6,64.31) ; v1(139.55,83.36) 139.55,83.29 138.68,82.42 ; v1(63.35,45.26) 63.35,45.19 62.48,44.32 ; v1(44.3,7.16) 44.3,7.09 43.43,6.22 ; v1(215.75,7.16) 215.75,7.09 214.88,6.22 ; v1(253.85,45.26) 253.85,45.19 252.98,44.32 ; 5.33,6.22 6.2,7.09 v1(6.2,7.16) ; v1(158.6,45.26) 158.6,45.19 157.73,44.32 ; v1(177.65,45.26) 177.65,45.19 176.78,44.32 ; 233.93,6.22 234.8,7.09 v1(234.8,7.16) ; v1(82.4,26.21) 82.4,26.14 81.53,25.27 ; 43.43,82.42 44.3,83.29 v1(44.3,83.36) ; 157.73,25.27 158.6,26.14 v1(158.6,26.21) ; v1(158.6,7.16) 158.6,7.09 157.73,6.22 ; v1(139.55,64.31) 139.55,64.24 138.68,63.37 ; v1(63.35,64.31) 63.35,64.24 62.48,63.37 ; v1(272.9,64.31) 272.9,64.24 272.03,63.37 ; v1(82.4,64.31) 82.4,64.24 81.53,63.37 ; v1(139.55,45.26) 139.55,45.19 138.68,44.32 ; v1(234.8,64.31) 234.8,64.24 233.93,63.37 ; v1(25.25,26.21) 25.25,26.14 24.38,25.27 ; v1(120.5,26.21) 120.5,26.14 119.63,25.27 ; 138.68,25.27 139.55,26.14 v1(139.55,26.21) ; v1(44.3,64.31) 44.3,64.24 43.43,63.37 ; v1(196.7,26.21) 196.7,26.14 195.83,25.27 ; v1(196.7,45.26) 196.7,45.19 195.83,44.32 ; v1(6.2,26.21) 6.2,26.14 5.33,25.27 ; v1(291.95,26.21) 291.95,26.14 291.08,25.27 ; 100.58,63.37 101.45,64.24 v1(101.45,64.31) ; 176.78,63.37 177.65,64.24 v1(177.65,64.31) ; 176.78,6.22 177.65,7.09 v1(177.65,7.16) ; 272.03,6.22 272.9,7.09 v1(272.9,7.16) ; v1(196.7,64.31) 196.7,64.24 195.83,63.37 ; 291.08,6.22 291.95,7.09 v1(291.95,7.16) ; 214.88,44.32 215.75,45.19 v1(215.75,45.26) ; 119.63,6.22 120.5,7.09 v1(120.5,7.16) ; v1(291.95,64.31) 291.95,64.24 291.08,63.37 ; 291.08,82.42 291.95,83.29 v1(291.95,83.36) ; 195.83,82.42 196.7,83.29 v1(196.7,83.36) ; 214.88,82.42 215.75,83.29 v1(215.75,83.36) ; 24.38,82.42 25.25,83.29 v1(25.25,83.36) ; 176.78,82.42 177.65,83.29 v1(177.65,83.36) ; 233.93,82.42 234.8,83.29 v1(234.8,83.36) ; v1(25.25,7.16) 25.25,7.09 24.38,6.22 ; v1(101.45,26.21) 101.45,26.14 100.58,25.27 ; 62.48,25.27 63.35,26.14 v1(63.35,26.21) ; 43.43,44.32 44.3,45.19 v1(44.3,45.26) ; v1(272.9,83.36) 272.9,83.29 272.03,82.42 ; v1(6.2,45.26) 6.2,45.19 5.33,44.32 ; 100.58,82.42 101.45,83.29 v1(101.45,83.36) ; v1(272.9,45.26) 272.9,45.19 272.03,44.32 ; v1(234.8,26.21) 234.8,26.14 233.93,25.27 ; 214.88,63.37 215.75,64.24 v1(215.75,64.31) ; 252.98,6.22 253.85,7.09 v1(253.85,7.16) ; v1(82.4,45.26) 82.4,45.19 81.53,44.32 ; 252.98,63.37 253.85,64.24 v1(253.85,64.31) ; 100.58,44.32 101.45,45.19 v1(101.45,45.26) ; 81.53,82.42 82.4,83.29 v1(82.4,83.36) ; 157.73,82.42 158.6,83.29 v1(158.6,83.36) ; 100.58,6.22 101.45,7.09 v1(101.45,7.16) ; v1(272.9,26.21) 272.9,26.14 272.03,25.27 ; v1(177.65,26.21) 177.65,26.14 176.78,25.27 ; 119.63,63.37 120.5,64.24 v1(120.5,64.31) ; v1(291.95,45.26) 291.95,45.19 291.08,44.32 ; v1(196.7,7.16) 196.7,7.09 195.83,6.22 ; v1(25.25,64.31) 25.25,64.24 24.38,63.37 ; v1(6.2,83.36) 6.2,83.29 5.33,82.42 ; 62.48,82.42 63.35,83.29 v1(63.35,83.36) ; 24.38,44.32 25.25,45.19 v1(25.25,45.26) ; 138.68,6.22 139.55,7.09 v1(139.55,7.16) ; v1(120.5,83.36) 120.5,83.29 119.63,82.42 ; v1(44.3,26.21) 44.3,26.14 43.43,25.27 ; 5.33,63.37 6.2,64.24 v1(6.2,64.31) ; v1(82.4,7.16) 82.4,7.09 81.53,6.22 ; v1(215.75,26.21) 215.75,26.14 214.88,25.27 ; v1(234.8,45.26) 234.8,45.19 233.93,44.32 ; 119.63,44.32 120.5,45.19 v1(120.5,45.26) ; v1(63.35,7.16) 63.35,7.09 62.48,6.22

## Copper pours and planes (outline as drawn; the poured copper is in the pictures)
/Keyboard/sheet605ED2EB/GND on Top: 362.51,-9.06 -14,-9.06 -14,115.15 362.51,115.15
/Keyboard/sheet605ED2EB/GND on Bottom: 351.88,-4.21 -7.65,-4.21 -7.65,122.14 351.88,122.14

## Text on the board
B.Silkscreen: C3 | by / thpoll | c | .1 | 8 | DispPort | 16 | 1 | 2 | 3 | 4 | 5 | 6 | 7 | CS | . | ATOM2 | POLYKB
User.Comments: JLCJLCJLCJLC | CUT OUT
F.Silkscreen: L | E | D | c
